# KiCad board totem_0_3.kicad_pcb (continued)
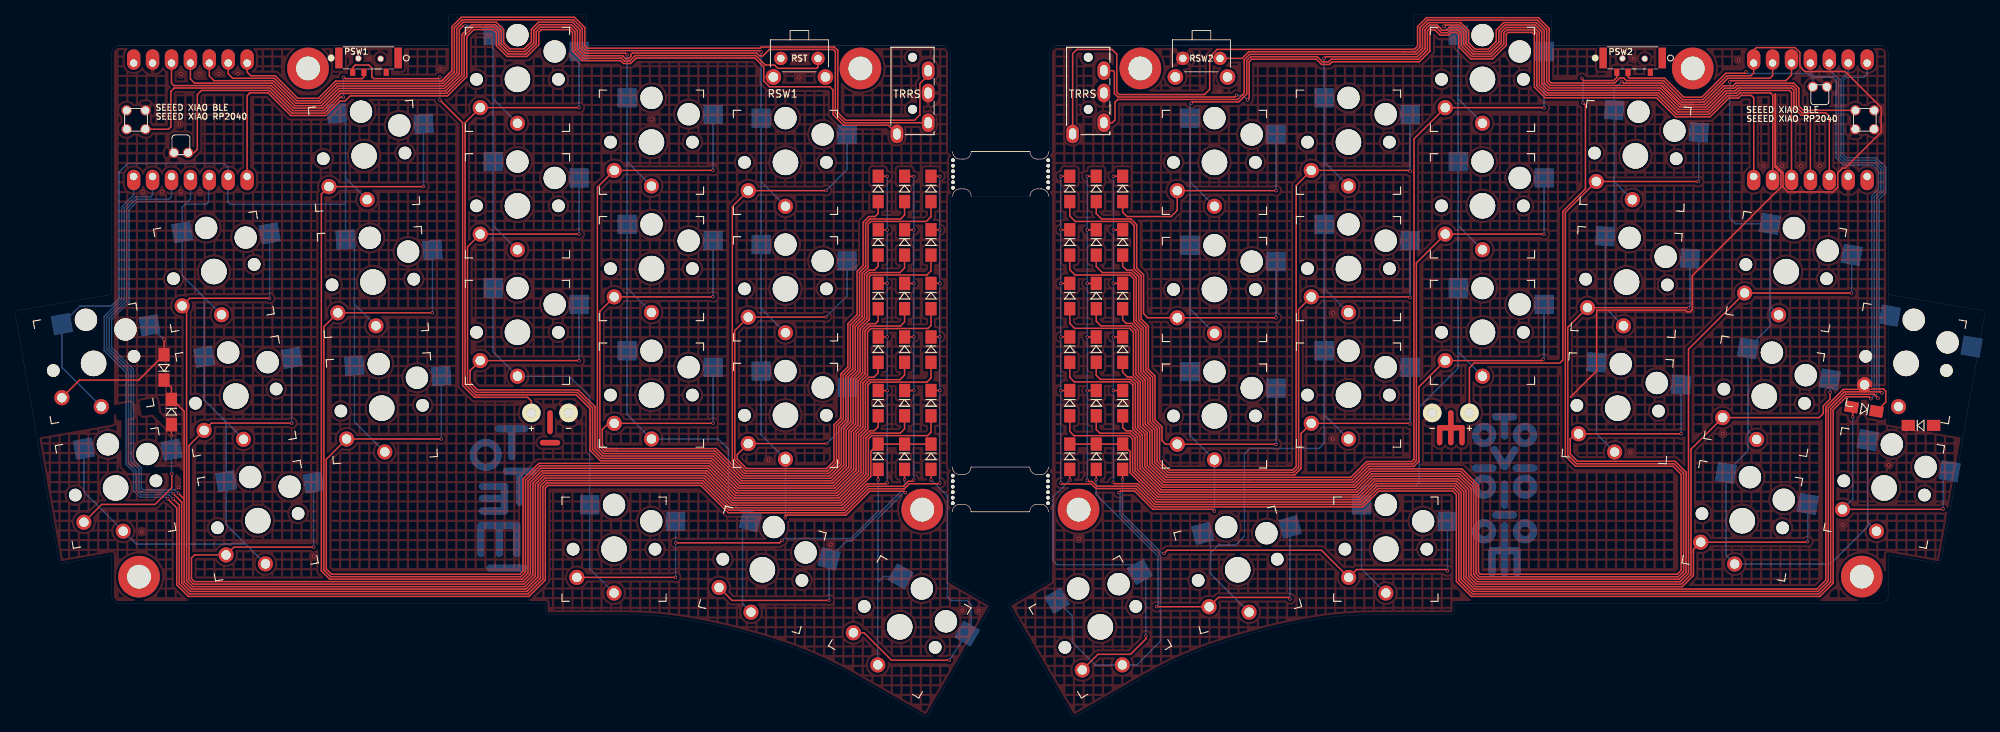
[diagram p0: board, top side]
## Routing (per net, layer and track width the routed paths; a pad name or vN(x,y) marks a point on that pad's centre or on a via; arc(x,y) is an arc through that point) (continued)
  Bottom w0.2: 175.85,41.93 SWR14.1 175.85,58.18 ; 175.85,41.93 175.85,40.66 SWR14.1 ; 175.85,41.93 175.85,36.81 175.17,36.12 165.88,36.12 165.15,35.39 165.15,24.31 163.96,23.12 161.64,23.12 160.61,22.1 160.61,21 ; SWR4.1 175.85,74.66 175.85,75.1 ; 165.78,14.1 160.61,19.27 160.61,21 ; 175.85,58.18 175.85,75.1 ; 175.85,58.18 175.85,57.66 SWR9.1 ; 160.61,21 160.61,23.64 159.55,24.7 ; 175.85,75.1 SWR4.1 175.85,88.56 v1(175.86,88.56)
COL4_L: length 216.9
  Top w0.2: v1(119.61,30.18) 119.42,30.36 114.84,30.36 111.62,27.15 103.53,27.15 103.49,27.11 v1(103.49,26.8) ; v1(100.25,89.39) 100.06,89.58 76.72,89.58 76.22,90.08 76.22,92.55 75.03,93.74 60.1,93.74 59.03,92.67 59.03,86.75 57.44,85.16 43.21,85.16 40.9,82.85 37.87,82.85 34.84,85.88 29.24,85.88 28.66,86.46 U1.9
  Bottom w0.2: SWL10.1 100.23,54.94 100.23,55.86 ; 100.23,55.86 SWL10.1 100.23,72.67 ; 100.23,55.86 SWL15.1 100.23,37.94 SWL15.1 103.5,27.22 103.49,27.21 v1(103.49,26.8) ; 115.9,23.05 115.9,18.13 116.69,18.92 SWL20.1 ; 100.23,72.67 100.23,71.94 SWL5.1 ; 100.23,72.67 SWL5.1 100.23,89.37 v1(100.25,89.39) ; 115.9,21.3 115.9,26.71 119.37,30.18 v1(119.61,30.18) ; 115.9,21.3 SWL20.1 ; 115.9,21.3 115.9,26.51
COL4_R: length 237.2
  Top w0.2: v1(161.13,27.68) 160.88,27.93 152.86,27.93 150.4,30.39 148.5,30.39 v1(148.28,30.18) ; v1(157.99,82.52) 158.16,82.69 164.38,82.69 165.46,83.77 165.46,88.23 165.98,88.76 174.95,88.76 175.65,88.06 176.44,88.06 176.81,88.43 188.51,88.43 189.73,89.65 189.73,92.27 190.16,92.7 190.9,92.7 191.4,92.2 191.41,92.2 191.6,92 192.46,92 192.83,92.37 193.79,92.37 194.27,91.88 194.27,90.24 195.7,88.81 198.35,88.81 199.99,90.45 199.99,91.97 200.39,92.37 203.94,92.37 204.43,91.88 204.43,84.82 205.67,83.58 220.63,83.58 223.2,81.02 227.55,81.02 230.07,83.54 231.35,83.54 231.71,83.9 235.84,83.9 236.12,83.62 236.12,72.69
  Bottom w0.2: SWR10.1 157.85,54.86 157.85,55.15 ; 157.85,55.15 157.85,72.77 ; 157.85,55.15 SWR15.1 157.85,37.86 SWR15.1 161.13,27.69 v1(161.13,27.68) ; SWR5.1 157.85,71.94 157.85,72.77 ; 157.85,72.77 SWR5.1 157.85,82.38 v1(157.99,82.52) ; v1(148.28,30.18) 148.46,30.01 148.46,27.19 153.86,21.79 153.86,10.18 150.7,7.02 148.75,7.02 145.07,7.02 142.03,10.06 142.03,13.61 139.99,15.64
RESET_L: length 115
  Top w0.2: RSW1.1 107.88,87.39 107.68,87.2 102.48,87.2 102.03,87.65 100.79,87.65 99.52,88.92 83.31,88.92 82.58,88.19 81.87,88.19 81.49,88.57 76.33,88.57 75.23,89.67 75.23,92.14 74.62,92.75 70.6,92.75 70.04,92.18 70.04,90.51 68.66,89.14 66.25,89.14 64.99,90.39 64.99,92.13 64.38,92.75 61.51,92.75 60.36,91.6 60.36,86.21 57.99,83.84 43.76,83.84 41.44,81.53 37.33,81.53 34.29,84.56 21.41,84.56 20.95,84.11 20.95,79.34 20.63,79.02 U1.17
RESET_R: length 107.3
  Top w0.2: 221.18,84.9 206.22,84.9 205.75,85.37 205.75,92.42 204.49,93.69 189.75,93.69 188.74,92.68 188.74,90.06 188.1,89.42 186.64,89.42 186.63,89.43 165.72,89.43 164.84,88.54 RSW2.1 ; 221.18,84.9 223.75,82.34 225.5,82.34 ; 221.18,84.9 223.75,82.34 225.5,82.34 ; 225.5,82.34 227.01,82.34 229.53,84.86 230.8,84.86 231.17,85.22 238.92,85.22 239.63,84.52 239.63,82.17 240.23,81.56 U2.17
ROW0_L: length 229.6
  Top w0.2: DL5.1 124.23,72.7 v1(124.24,72.71) ; DL4.1 124.27,65.5 ; DL3.1 124.27,58.3 ; 124.28,43.9 123.06,43.9 ; DL2.1 124.25,51.1 ; v1(20.53,29.34) 21.74,28.13 21.74,17.78 23.29,16.23 69.05,16.23 71.25,18.42 71.25,30.78 71.61,31.14 92.14,31.14 95.81,27.48 111.31,27.48 111.49,27.48 114.7,30.69 119.48,30.69 120.16,31.37 124.13,31.37 v1(124.23,31.48)
  Bottom w0.2: U1.1 15.96,70.2 14.35,68.59 14.35,56.22 12,53.87 12,49.27 14.93,46.34 14.93,34 15.93,33.01 15.93,30.47 16.84,29.55 20.32,29.55 v1(20.53,29.34) ; v1(124.24,72.71) v1(124.24,65.51) v1(124.24,58.31) v1(124.24,51.13) v1(124.24,43.91) 124.24,31.48 v1(124.23,31.48)
ROW0_R: length 242.4
  Top w0.2: DR5.1 147.56,72.7 v1(147.56,72.7) ; v1(250.79,43.58) 250.65,43.72 245.73,43.72 243.57,41.56 243.57,18.28 242.18,16.89 195.91,16.89 194.28,18.51 194.28,30.18 193.41,31.06 182.94,31.06 180.8,28.92 153.27,28.92 150.81,31.38 147.7,31.38 v1(147.53,31.55) ; DR1.1 147.55,43.9 v1(147.55,43.9) ; v1(147.55,65.51) 147.56,65.5 DR4.1 ; v1(147.55,51.08) 147.56,51.1 DR2.1 ; DR3.1 147.56,58.29 v1(147.55,58.31)
  Bottom w0.2: v1(250.79,43.58) 250.41,43.96 250.41,69.63 251.31,70.53 251.31,73.87 249.99,75.19 246,75.19 245.62,75.57 245.62,85.61 246.02,86.01 248.36,86.01 248.8,86.45 U2.1 ; v1(147.56,72.7) 147.55,72.69 v1(147.55,65.51) v1(147.55,58.31) v1(147.55,51.08) v1(147.55,43.9) 147.55,31.56 v1(147.53,31.55)
ROW1_L: length 227.6
  Top w0.2: DL8.1 120.74,58.29 v1(120.75,58.29) ; v1(120.75,43.92) 120.72,43.9 DL6.1 ; v1(120.75,72.69) 119.51,72.69 ; DL7.1 120.72,51.1 v1(120.75,51.12) ; v1(120.75,65.49) 120.74,65.5 DL9.1 ; v1(21.25,29.34) 22.07,28.52 22.07,17.92 23.44,16.56 68.91,16.56 70.92,18.56 70.92,30.92 71.47,31.47 92.28,31.47 95.94,27.81 111.35,27.81 114.56,31.02 119.34,31.02 120.02,31.7 120.56,31.7 v1(120.73,31.88)
  Bottom w0.2: U1.2 18.5,70.21 18.23,69.94 16.17,69.94 14.68,68.45 14.68,56.08 12.33,53.74 12.33,49.4 15.27,46.46 15.27,34.13 16.26,33.14 16.26,30.6 16.98,29.88 20.71,29.88 v1(21.25,29.34) ; v1(120.75,72.69) v1(120.75,65.49) v1(120.75,58.29) v1(120.75,51.12) v1(120.75,43.92) 120.75,31.89 v1(120.73,31.88)
ROW1_R: length 243.7
  Top w0.2: DR7.1 144.06,51.1 v1(144.04,51.07) ; DR8.1 144.05,58.29 v1(144.04,58.28) ; v1(144.04,72.7) 144.04,72.7 DR10.1 ; v1(250.27,42.86) 249.74,43.39 245.87,43.39 243.9,41.42 243.9,18.14 242.31,16.56 195.77,16.56 193.95,18.38 193.95,30.05 193.27,30.73 183.07,30.73 180.93,28.59 153.14,28.59 150.67,31.05 145.35,31.05 144.73,31.67 144.21,31.67 v1(144.03,31.85) ; DR9.1 144.04,65.5 v1(144.04,65.49) ; DR6.1 144.05,43.9 v1(144.04,43.88)
  Bottom w0.2: v1(144.04,72.7) v1(144.04,65.49) v1(144.04,58.28) v1(144.04,51.07) v1(144.04,43.88) v1(144.04,31.85) ; v1(250.27,42.86) 250.08,43.06 250.08,69.77 250.98,70.67 250.98,73.74 249.85,74.86 245.86,74.86 245.29,75.44 245.29,85.74 246.26,86.71 U2.2
ROW2_L: length 225.9
  Top w0.2: DL15.1 117.16,72.7 v1(117.17,72.7) ; DL13.1 117.16,58.29 v1(117.17,58.3) ; v1(117.17,51.11) 117.15,51.1 DL12.1 ; v1(117.17,65.49) 117.16,65.5 DL14.1 ; v1(117.17,43.89) 115.96,43.89 ; v1(117.16,31.53) 116.98,31.35 114.43,31.35 111.21,28.14 96.08,28.14 92.42,31.8 71.33,31.8 70.59,31.06 70.59,18.7 68.78,16.89 23.58,16.89 22.4,18.06 22.4,28.92 v1(21.28,30.04)
  Bottom w0.2: v1(117.16,31.53) 117.17,31.53 v1(117.17,43.89) v1(117.17,51.11) v1(117.17,58.3) v1(117.17,65.49) v1(117.17,72.7) ; U1.3 21.04,69.95 20.7,69.61 16.3,69.61 15.01,68.31 15.01,55.95 12.67,53.61 12.67,49.53 15.6,46.6 15.6,34.4 16.66,33.34 16.66,30.67 17.11,30.21 21.11,30.21 v1(21.28,30.04)
ROW2_R: length 246.8
  Top w0.2: v1(140.49,65.51) 140.5,65.5 DR14.1 ; DR13.1 140.49,58.29 v1(140.49,58.29) ; v1(249.29,42.8) 249.04,43.06 246,43.06 244.23,41.29 244.23,18.01 242.45,16.23 195.63,16.23 193.62,18.24 193.62,29.9 193.12,30.4 183.21,30.4 181.07,28.26 153,28.26 150.54,30.72 145.21,30.72 144.59,31.34 140.62,31.34 v1(140.48,31.48) ; DR15.1 140.5,72.7 v1(140.49,72.71) ; DR12.1 140.49,51.1 v1(140.49,51.09) ; v1(140.49,43.87) 140.51,43.9 DR11.1
  Bottom w0.2: v1(249.29,42.8) 249.75,43.26 249.75,69.91 250.65,70.81 250.65,73.6 249.71,74.53 245.72,74.53 244.96,75.3 244.96,85.76 243.72,87 U2.3 ; v1(140.49,72.71) v1(140.49,65.51) v1(140.49,58.29) v1(140.49,51.09) v1(140.49,43.87) 140.49,31.48 v1(140.48,31.48)
ROW3_L: length 207.7
  Top w0.2: DL20.1 DL18.1 114.97,35.72 114.97,32.36 111.08,28.47 96.22,28.47 92.55,32.13 71.2,32.13 70.26,31.19 70.26,18.83 68.64,17.22 23.71,17.22 22.73,18.2 22.73,41.1 21.13,42.7 DL16.1 21.03,44.3 DL17.1 ; 20.53,43.2 20.63,43.2 ; v1(21.98,30.07) 22.73,29.31
  Bottom w0.2: U1.4 23.58,69.62 23.24,69.28 16.44,69.28 15.34,68.18 15.34,55.81 13,53.47 13,49.67 15.93,46.74 15.93,34.54 16.99,33.48 16.99,30.8 17.25,30.54 21.5,30.54 v1(21.98,30.07)
ROW3_R: length 208.3
  Top w0.2: DR16.1 251.31,42.35 251.31,43.8 251.01,44.1 249.39,44.1 v1(249.25,44.24) 249.05,44.05 245.59,44.05 243.24,41.7 243.24,41.13 243.24,41.33 243.24,18.42 242.04,17.22 196.04,17.22 194.61,18.65 194.61,19.91 194.61,30.32 193.54,31.39 182.8,31.39 180.66,29.25 153.41,29.25 149.8,32.86 149.8,35.7 DR17.1 DR19.1
  Bottom w0.2: U2.4 241.18,86.64 241.76,86.05 244.2,86.05 244.63,85.63 244.63,75.16 245.59,74.2 249.58,74.2 250.32,73.46 250.32,70.94 249.42,70.04 249.42,44.41 v1(249.25,44.24)
RX_L: length 120.8
  Top w0.2: 58.36,86.55 57.31,85.49 ; 58.36,86.55 58.7,86.89 58.7,92.81 59.96,94.07 75.17,94.07 76.55,92.68 76.55,90.22 76.86,89.91 100.12,89.91 100.29,90.08 110.06,90.08 110.53,89.6 110.53,81.27 111.58,80.23 120.83,80.23 121.56,80.95 121.56,85.15 122.68,86.27 ; 58.36,86.55 57.31,85.49 ; 57.31,85.49 43.07,85.49 40.76,83.18 38.01,83.18 34.97,86.21 31.69,86.21 31.2,86.7 U1.8
RX_R: length 125.9
  Top w0.2: 163.9,83.41 v1(164.09,83.59) 163.85,83.35 148.17,83.35 147.68,83.84 147.68,86.73 147.52,86.89 J2.B ; v1(165.58,82.96) 165.79,83.17 165.79,88.1 166.12,88.43 174.81,88.43 175.51,87.73 176.58,87.73 176.95,88.1 188.64,88.1 190.06,89.52 190.06,92.13 190.3,92.37 190.73,92.37 191.42,91.67 192.6,91.67 192.96,92.04 193.65,92.04 193.94,91.75 193.94,90.1 195.56,88.48 198.49,88.48 200.33,90.32 200.33,91.8 200.57,92.04 203.8,92.04 204.1,91.74 204.1,84.69 205.53,83.25 220.5,83.25 223.06,80.69 227.69,80.69 230.21,83.21 231.52,83.21 231.88,83.57 233.24,83.57 233.57,83.24 233.57,72.68
  Bottom w0.2: v1(164.09,83.59) 164.95,83.59 v1(165.58,82.96)
TX_L: length 123.4
  Top w0.2: J1.A 117.31,79.56 111.31,79.56 109.87,81 109.87,84.31 109.46,84.73 101.36,84.73 100.58,85.5 100.58,87.39 99.38,88.59 83.44,88.59 82.71,87.86 81.74,87.86 81.36,88.24 76.19,88.24 74.9,89.54 74.9,92 74.48,92.42 70.74,92.42 70.37,92.04 70.37,90.37 68.8,88.81 66.11,88.81 64.66,90.26 64.66,92 64.24,92.42 61.64,92.42 60.69,91.46 60.69,86.08 58.13,83.51 45.06,83.51 44.35,82.81 43.66,82.81 41.72,80.87 37.05,80.87 34.02,83.9 31.56,83.9 31.42,83.76 31.42,83.74 31.2,83.52 U1.7
TX_R: length 246.5
  Top w0.2: J2.A 142.08,89.18 142.64,89.75 147.36,89.75 148.01,89.1 148.01,83.98 148.31,83.68 159.79,83.68 160.48,84.38 160.48,88.75 161.49,89.76 187.62,89.76 187.63,89.75 187.96,89.75 188.41,90.2 188.41,92.81 189.62,94.02 204.63,94.02 206.08,92.57 206.08,85.51 206.35,85.23 214.88,85.23 215.57,85.92 216.1,85.92 216.46,85.56 221.45,85.56 224.02,83 226.73,83 229.95,86.21 233.2,86.21 233.56,86.57 U2.7 233.56,89.63 233.92,89.99 239.1,89.99 239.77,89.33 239.77,87.44 240.43,86.78 245.84,86.78 250.68,81.95 250.68,78.64 245.84,73.8 245.51,73.8 244.85,73.14 244.85,71.25 244.18,70.59 238.17,70.59 237.51,71.25 237.51,73.14 236.45,74.2 236.45,83.76 236.45,73.92 237.23,73.14 237.23,71.25 225.3,59.33 225.3,54.79 225.01,54.5 224.6,54.5 224.39,54.71 212.47,54.71 212.47,46.55 208.92,43
Net-(DL1-A): length 181.5
  Top w0.2: 23.06,54.69 23.06,18.34 23.85,17.55 68.5,17.55 69.91,18.95 69.91,31.31 71.06,32.46 92.69,32.46 96.35,28.8 110.94,28.8 114.64,32.5 114.64,37.38 115.1,37.84 122.6,37.84 123.05,38.29 DL1.2 ; v1(34.2,56.3) 34.2,56.3 23.48,56.3 SWL1.2
  Bottom w0.2: SWL1.2 34.22,56.32 v1(34.2,56.3)
Net-(DL2-A): length 185.5
  Top w0.2: DL2.2 123.05,45.58 122.5,45.03 114.97,45.03 114.58,44.63 114.58,38.72 113.65,37.79 113.65,32.91 110.53,29.79 96.76,29.79 93.1,33.45 70.65,33.45 68.92,31.72 68.92,19.36 68.11,18.55 42.27,18.55 41.17,19.65 41.17,70.29 SWL2.2 54.88,71.31 v1(54.9,71.33)
  Bottom w0.2: SWL2.2 54.9,71.33 v1(54.9,71.33)
Net-(DL3-A): length 151.5
  Top w0.2: DL3.2 123.05,52.64 122.65,52.24 118.54,52.24 118.52,52.23 114.97,52.23 114.53,51.78 114.53,45.99 113.59,45.05 113.59,39.13 112.66,38.2 112.66,33.32 110.12,30.78 97.17,30.78 93.51,34.44 78.68,34.44 77.26,35.86 77.26,41.46 75.4,43.32 61.87,43.32 60.47,44.72 60.47,79.88 SWL3.2 75.77,81.92 v1(75.78,81.93)
  Bottom w0.2: v1(75.78,81.93) 75.78,81.93 SWL3.2
Net-(DL4-A): length 132.6
  Top w0.2: v1(93.78,73.5) 93.76,73.49 SWL4.2 78.25,71.23 78.25,36.27 79.09,35.43 93.92,35.43 97.58,31.77 109.71,31.77 111.67,33.73 111.67,38.61 112.6,39.54 112.6,45.46 113.54,46.4 113.54,52.19 114.78,53.43 114.78,59.23 114.98,59.43 122.5,59.43 123.05,59.98 DL4.2
  Bottom w0.2: SWL4.2 93.78,73.5 v1(93.78,73.5)
Net-(DL5-A): length 116.6
  Top w0.2: v1(108.98,70.79) 108.95,70.77 SWL5.2 96.37,68.63 96.37,34.39 98,32.76 109.3,32.76 110.68,34.14 110.68,39.02 111.61,39.95 111.61,45.87 112.55,46.81 112.55,52.6 113.79,53.84 113.79,59.64 114.6,60.45 114.6,66.26 114.97,66.63 122.43,66.63 123.05,67.26 DL5.2
  Bottom w0.2: SWL5.2 111.78,73.6 v1(108.98,70.79)
Net-(DL6-A): length 161.7
  Top w0.2: v1(37.18,39.53) 26.4,39.53 SWL6.2 23.39,36.52 23.39,18.47 23.99,17.88 68.37,17.88 69.58,19.09 69.58,31.45 70.92,32.79 92.83,32.79 96.49,29.13 110.8,29.13 114.31,32.64 114.31,37.52 114.96,38.17 118.93,38.17 119.5,38.74 DL6.2
  Bottom w0.2: v1(37.18,39.53) 37.18,39.53 SWL6.2
Net-(DL7-A): length 164.4
  Top w0.2: v1(56.08,54.35) 56.07,54.35 SWL7.2 41.5,52.48 41.5,19.79 42.41,18.88 67.97,18.88 68.59,19.5 68.59,31.86 70.51,33.78 93.24,33.78 96.9,30.12 110.39,30.12 113.32,33.05 113.32,37.93 114.25,38.85 114.25,44.77 114.84,45.36 118.88,45.36 119.5,45.98 DL7.2
  Bottom w0.2: SWL7.2 56.09,54.36 v1(56.08,54.35)
Net-(DL8-A): length 129.9
  Top w0.2: v1(75.78,64.93) 75.77,64.92 SWL8.2 60.8,63.21 60.8,44.86 62,43.65 75.54,43.65 77.59,41.6 77.59,36 78.81,34.77 93.65,34.77 97.31,31.11 109.98,31.11 112.33,33.46 112.33,38.34 113.26,39.26 113.26,45.19 114.2,46.13 114.2,51.91 114.84,52.56 116.35,52.56 116.37,52.57 118.95,52.57 119.5,53.12 DL8.2
  Bottom w0.2: v1(75.78,64.93) 75.78,64.93 SWL8.2
Net-(DL9-A): length 111
  Top w0.2: DL9.2 119.5,60.37 118.89,59.76 114.84,59.76 114.45,59.36 114.45,53.56 113.21,52.32 113.21,46.54 112.27,45.6 112.27,39.67 111.34,38.75 111.34,33.87 109.57,32.1 97.72,32.1 94.06,35.76 79.22,35.76 78.58,36.41 78.58,54.56 SWL9.2 93.76,56.49 v1(93.78,56.5)
  Bottom w0.2: v1(93.78,56.5) 93.78,56.5 SWL9.2
Net-(DL10-A): length 95.1
  Top w0.2: v1(108.98,53.82) 108.93,53.77 SWL10.2 96.7,51.96 96.7,34.53 98.14,33.09 109.16,33.09 110.35,34.28 110.35,39.16 111.28,40.08 111.28,46.01 112.22,46.95 112.22,52.73 113.46,53.97 113.46,59.77 114.27,60.59 114.27,66.39 114.84,66.96 118.98,66.96 119.5,67.49 DL10.2
  Bottom w0.2: SWL10.2 111.78,56.62 v1(108.98,53.82)
Net-(DL11-A): length 144.1
  Top w0.2: DL11.2 115.95,39.03 115.43,38.5 114.83,38.5 113.98,37.66 113.98,32.77 110.67,29.46 96.63,29.46 92.96,33.12 70.79,33.12 69.25,31.58 69.25,19.22 68.24,18.22 24.11,18.22 23.72,18.61 23.72,21.4 24.12,21.8 SWL11.2 29.42,22.85 v1(40.13,22.85)
  Bottom w0.2: v1(40.13,22.85) SWL11.2
Net-(DL12-A): length 143.4
  Top w0.2: v1(57.28,37.4) 57.26,37.39 SWL12.2 41.83,34.66 41.83,19.92 42.54,19.21 67.83,19.21 68.26,19.63 68.26,31.99 70.38,34.11 93.37,34.11 97.04,30.45 110.26,30.45 112.99,33.18 112.99,38.07 113.92,38.99 113.92,44.9 114.7,45.69 115.38,45.69 115.95,46.26 DL12.2
  Bottom w0.2: v1(57.28,37.4) 57.27,37.41 SWL12.2
Net-(DL13-A): length 108.5
  Top w0.2: DL13.2 115.95,53.24 115.6,52.89 114.7,52.89 113.87,52.05 113.87,46.27 112.93,45.33 112.93,39.4 112,38.48 112,33.59 109.85,31.44 97.45,31.44 93.78,35.1 78.95,35.1 77.92,36.14 77.92,41.74 75.67,43.98 62.14,43.98 61.13,44.99 61.13,46.54 SWL13.2 75.76,47.92 v1(75.78,47.9)
  Bottom w0.2: SWL13.2 75.78,47.9 v1(75.78,47.9)
Net-(DL14-A): length 90.6
  Top w0.2: SWL14.2 93.74,39.49 v1(93.78,39.53) ; DL14.2 115.95,60.59 115.45,60.09 114.7,60.09 114.12,59.5 114.12,53.7 112.88,52.46 112.88,46.68 111.94,45.74 111.94,39.81 111.01,38.89 111.01,34 109.44,32.43 97.87,32.43 94.2,36.09 80.88,36.09 ; 79.36,36.09 78.91,36.55 78.91,38.67 79.72,39.49 ; 79.36,36.09 80.88,36.09 ; 79.36,36.09 80.88,36.09
  Bottom w0.2: SWL14.2 93.78,39.53 v1(93.78,39.53)
Net-(DL15-A): length 73.7
  Top w0.2: v1(109.05,36.77) 109.05,36.77 SWL15.2 97.03,35.29 97.03,34.67 98.28,33.42 109.03,33.42 110.02,34.41 110.02,39.3 110.95,40.22 110.95,46.15 111.89,47.09 111.89,52.87 113.13,54.11 113.13,59.91 113.94,60.73 113.94,66.53 114.7,67.29 115.55,67.29 115.95,67.69 DL15.2
  Bottom w0.2: v1(109.05,36.77) 111.78,39.5 SWL15.2
Net-(DL16-A): length 22.9
  Top w0.2: v1(21.03,37.8) DL16.2 ; v1(21.08,32.69) 21.08,30.84 18.83,28.59 11.66,28.59 SWL16.2
  Bottom w0.2: v1(21.03,37.8) 21.03,37.3 21.03,37.3 SWL16.2 ; SWL16.2 20.53,36.43 ; SWL16.2 21.03,32.74 v1(21.08,32.69)
Net-(DL17-A): length 20.8
  Top w0.2: v1(20.03,50.8) 20.03,48.8 ; SWL17.2 8.68,45.3 16.63,45.3 DL17.2
  Bottom w0.2: SWL17.2 19.95,50.8 v1(20.03,50.8)
Net-(DL18-A): length 55.4
  Top w0.2: v1(88.75,23.42) 102.7,23.42 v1(103.06,23.77) ; v1(88.73,18.79) 88.71,18.78 SWL18.2 ; DL18.2 115.95,31.89 v1(115.95,31.89)
  Bottom w0.2: v1(88.73,18.79) 88.75,18.82 v1(88.75,23.42) SWL18.2 ; v1(103.06,23.77) 103.28,23.99 112.25,23.99 115.95,27.69 v1(115.95,31.89)
Net-(DL19-A): length 37.7
  Top w0.2: v1(109.35,15.72) 109.33,15.69 96.32,15.69 SWL19.2 ; v1(119.5,31.92) 119.5,31.92 DL19.2
  Bottom w0.2: v1(119.5,31.92) 119.5,30.78 112.39,23.66 111.75,23.66 SWL19.2 109.37,15.73 v1(109.35,15.72)
Net-(DL20-A): length 43.7
  Top w0.2: SWL20.2 114.06,11.34 117.75,7.64 v1(125.5,7.64) ; DL20.2 123.05,31.89 v1(123.05,31.89)
  Bottom w0.2: v1(125.5,7.64) SWL20.2 ; v1(123.05,31.89) 125.26,29.68 125.26,16.2 125.79,15.67 127.9,15.67 128.44,15.13 128.44,11.78
Net-(DR1-A): length 158.1
  Top w0.2: v1(246.7,57) 246.7,57 SWR1.2 224.8,49.46 224.8,19.33 223.68,18.21 223.15,18.21 196.45,18.21 195.6,19.06 195.6,20.01 195.6,30.73 193.95,32.38 182.39,32.38 180.25,30.24 153.82,30.24 150.79,33.27 150.79,37.66 149.95,38.49 149.24,38.49 148.8,38.93 DR1.2
  Bottom w0.2: SWR1.2 246.73,57.02 v1(246.7,57)
Net-(DR2-A): length 190.9
  Top w0.2: DR2.2 148.8,46.35 149.43,45.72 150.02,45.72 150.84,44.9 150.84,39.01 151.78,38.07 151.78,33.68 154.22,31.24 154.49,31.24 154.5,31.23 179.84,31.23 181.98,33.37 194.36,33.37 196.59,31.14 196.59,19.49 196.88,19.2 223.27,19.2 223.81,19.74 223.81,32.63 222.71,33.73 209.63,33.73 208.26,35.09 208.26,67.85 SWR2.2 226.1,72 v1(226.1,72)
  Bottom w0.2: SWR2.2 226.18,72.07 v1(226.1,72)
Net-(DR3-A): length 129.7
  Top w0.2: DR3.2 148.8,53.38 149.26,52.92 150.02,52.92 150.93,52.01 150.93,46.21 151.83,45.31 151.83,39.42 152.77,38.48 152.77,34.09 154.63,32.23 179.44,32.23 181.57,34.36 187.64,34.36 187.92,34.64 187.92,77.72 SWR3.2 205.38,81.92 v1(205.4,81.9)
  Bottom w0.2: SWR3.2 v1(205.4,81.9)
Net-(DR4-A): length 110.7
  Top w0.2: v1(187.4,73.4) 187.31,73.49 SWR4.2 172.1,71.46 172.1,33.68 171.63,33.22 155.04,33.22 153.76,34.5 153.76,38.89 152.82,39.83 152.82,45.72 151.92,46.62 151.92,52.42 150.95,53.39 150.95,59.19 150.05,60.08 149.33,60.08 148.8,60.61 DR4.2
  Bottom w0.2: SWR4.2 v1(187.4,73.4)
Net-(DR5-A): length 32.8
  Top w0.2: v1(169.4,70.77) SWR5.2 156.13,68.14 156.14,68.13 155.31,67.29 149.37,67.29 148.8,67.86 DR5.2
  Bottom w0.2: SWR5.2 v1(169.4,70.77)
Net-(DR6-A): length 143.6
  Top w0.2: DR6.2 145.25,38.66 145.75,38.16 149.81,38.16 150.46,37.52 150.46,33.14 153.68,29.91 180.39,29.91 182.53,32.05 193.82,32.05 195.27,30.59 195.27,18.92 196.32,17.88 223.84,17.88 225.13,19.17 225.13,36 SWR6.2 242.36,40.26 242.91,40.81 242.91,41.83 243.81,42.73 v1(243.81,43.68)
  Bottom w0.2: SWR6.2 243.78,43.71 v1(243.81,43.68)
Net-(DR7-A): length 177.7
  Top w0.2: v1(224.8,55) 224.76,55.04 SWR7.2 208.59,52.4 208.59,35.23 209.76,34.06 222.86,34.06 224.14,32.78 224.14,19.6 223.41,18.87 196.72,18.87 196.26,19.33 196.26,31 194.23,33.04 182.12,33.04 179.98,30.9 154.09,30.9 151.45,33.55 151.45,37.93 150.51,38.87 150.51,44.77 149.88,45.39 145.82,45.39 145.25,45.96 DR7.2
  Bottom w0.2: SWR7.2 224.99,55.19 v1(224.8,55)
Net-(DR8-A): length 116.9
  Top w0.2: DR8.2 145.25,53.22 145.88,52.59 149.88,52.59 150.57,51.9 150.57,46.1 151.5,45.18 151.5,39.28 152.44,38.34 152.44,33.96 154.49,31.9 179.58,31.9 181.71,34.03 187.77,34.03 188.25,34.51 188.25,61.05 SWR8.2 205.38,64.92 v1(205.4,64.9)
  Bottom w0.2: SWR8.2 v1(205.4,64.9)
Net-(DR9-A): length 97.9
  Top w0.2: v1(187.4,56.4) 187.31,56.49 SWR9.2 172.43,54.79 172.43,33.55 171.77,32.89 154.9,32.89 153.43,34.37 153.43,38.75 152.49,39.69 152.49,45.59 151.59,46.49 151.59,52.28 150.62,53.25 150.62,59.05 149.91,59.75 146.07,59.75 145.25,60.57 DR9.2
  Bottom w0.2: SWR9.2 v1(187.4,56.4)
Net-(DR10-A): length 45.6
  Top w0.2: DR10.2 145.25,67.68 145.97,66.96 149.91,66.96 150.68,66.2 150.68,60.39 151.61,59.46 151.61,54.23 152.16,53.68 SWR10.2 169.4,53.68 v1(169.4,53.68)
  Bottom w0.2: SWR10.2 v1(169.4,53.68)
Net-(DR11-A): length 130.6
  Top w0.2: v1(240.8,23.6) 240.73,23.52 SWR11.2 225.46,22.54 225.46,19.03 223.98,17.55 196.18,17.55 194.94,18.79 194.94,30.46 193.68,31.72 182.66,31.72 180.52,29.58 153.55,29.58 150.13,33 150.13,37.38 149.68,37.83 142.26,37.83 141.7,38.4 DR11.2
  Bottom w0.2: SWR11.2 240.82,23.62 v1(240.8,23.6)
Net-(DR12-A): length 164.4
  Top w0.2: 209.62,38.08 208.92,37.38 208.92,35.37 209.9,34.39 223,34.39 224.47,32.92 224.47,19.46 223.55,18.54 223,18.54 196.59,18.54 195.93,19.2 195.93,30.87 194.09,32.71 193.57,32.71 182.25,32.71 180.11,30.57 153.96,30.57 151.12,33.41 151.12,37.79 150.18,38.73 150.18,44.63 149.74,45.06 142.3,45.06 141.7,45.66 DR12.2 ; SWR12.2 223.78,38.08 v1(223.8,38.1)
  Bottom w0.2: SWR12.2 223.81,38.1 v1(223.8,38.1)
Net-(DR13-A): length 104
  Top w0.2: v1(205.29,48.1) 205.11,47.92 SWR13.2 188.58,44.38 188.58,34.37 187.91,33.7 181.84,33.7 179.7,31.56 165.9,31.56 165.89,31.57 154.36,31.57 152.11,33.82 152.11,38.2 151.17,39.14 151.17,45.04 150.24,45.97 150.24,51.76 149.74,52.26 142.35,52.26 141.7,52.91 DR13.2
  Bottom w0.2: SWR13.2 205.4,48.22 v1(205.29,48.1)
Net-(DR14-A): length 85.2
  Top w0.2: DR14.2 141.7,60.13 142.41,59.42 149.78,59.42 150.29,58.92 150.29,53.12 151.26,52.15 151.26,46.35 152.16,45.45 152.16,39.55 153.1,38.61 153.1,34.23 154.77,32.56 171.9,32.56 172.76,33.41 172.76,38.12 SWR14.2 187.31,39.49 v1(187.4,39.4)
  Bottom w0.2: SWR14.2 v1(187.4,39.4)
Net-(DR15-A): length 64.7
  Top w0.2: v1(169.4,36.66) 169.38,36.68 SWR15.2 154.57,36.68 154.09,37.17 154.09,39.02 153.15,39.96 153.15,45.86 152.25,46.76 152.25,52.56 151.28,53.53 151.28,59.33 150.35,60.26 150.35,66.06 149.78,66.63 142.43,66.63 141.7,67.36 DR15.2
  Bottom w0.2: SWR15.2 v1(169.4,36.66)
Net-(DR16-A): length 31.9
  Top w0.2: SWR16.2 258.93,27.93 v1(259,28) ; v1(246.85,40.37) 246.85,41.54
  Bottom w0.2: SWR16.2 246.88,29.31 246.88,40.34 v1(246.85,40.37) ; 259,32.18 v1(259,28)
Net-(DR17-A): length 60.7
  Top w0.2: v1(148.79,31.9) 148.8,31.91 DR17.2 ; v1(154.36,22) 154.78,22.43 175.5,22.43 SWR17.2 180.21,19.84 192.25,19.84 v1(192.42,19.66)
  Bottom w0.2: SWR17.2 192.43,19.67 v1(192.42,19.66) ; v1(148.79,31.9) 148.79,27.33 154.11,22 v1(154.36,22)
Net-(DR18-A): length 50.2
  Top w0.2: v1(145.24,31.9) 145.25,31.91 DR18.2 ; v1(171.27,15.89) 171.08,16.09 161.66,16.09 SWR18.2 153.37,14.84 v1(153.35,14.86)
  Bottom w0.2: v1(171.27,15.89) 171.28,15.9 SWR18.2 ; v1(153.35,14.86) 153.53,15.04 153.53,21.65 145.24,29.95 v1(145.24,31.9)
Net-(DR19-A): length 43.9
  Top w0.2: v1(141.72,31.86) 141.7,31.88 DR19.2 ; v1(151.91,10.93) 151.91,10.51 149.85,8.44 145.48,8.44 SWR19.2
  Bottom w0.2: v1(151.91,10.93) 151.91,18.69 ; v1(141.72,31.86) 139.46,29.61 139.46,21 139.98,20.48 150.13,20.48 SWR19.2

## Copper pours and planes (outline as drawn; the poured copper is in the pictures)
GND_L on Top, Bottom: 131.62,-48.11 -5.62,-48.11 -5.62,127.87 131.62,127.87
GND_R on Top, Bottom: 270.36,-48.1 133.05,-48.11 133.06,127.89 270.38,127.88

Small or netless copper shapes (teardrops, artwork), in the pictures only: 19 on Bottom

## Text on the board
B.Mask: 0.1
B.Silkscreen: R0 | R1 | R2 | R3 | C0 | C1 | TX | RST | GND | VCC | C2 | C3 | C4 | RX | BT- | BT+ | A   N O T   T H A T | S C A R Y   G E I S T | M A D E   B Y | R E V I S I O N   0 . 3 | T O T E M
User.Drawings: T O T E M
F.Silkscreen: SEEED XIAO BLE | SEEED XIAO RP2040 | RST
